# KiCad board AmigaPCI Mainboard.kicad_pcb (continued)
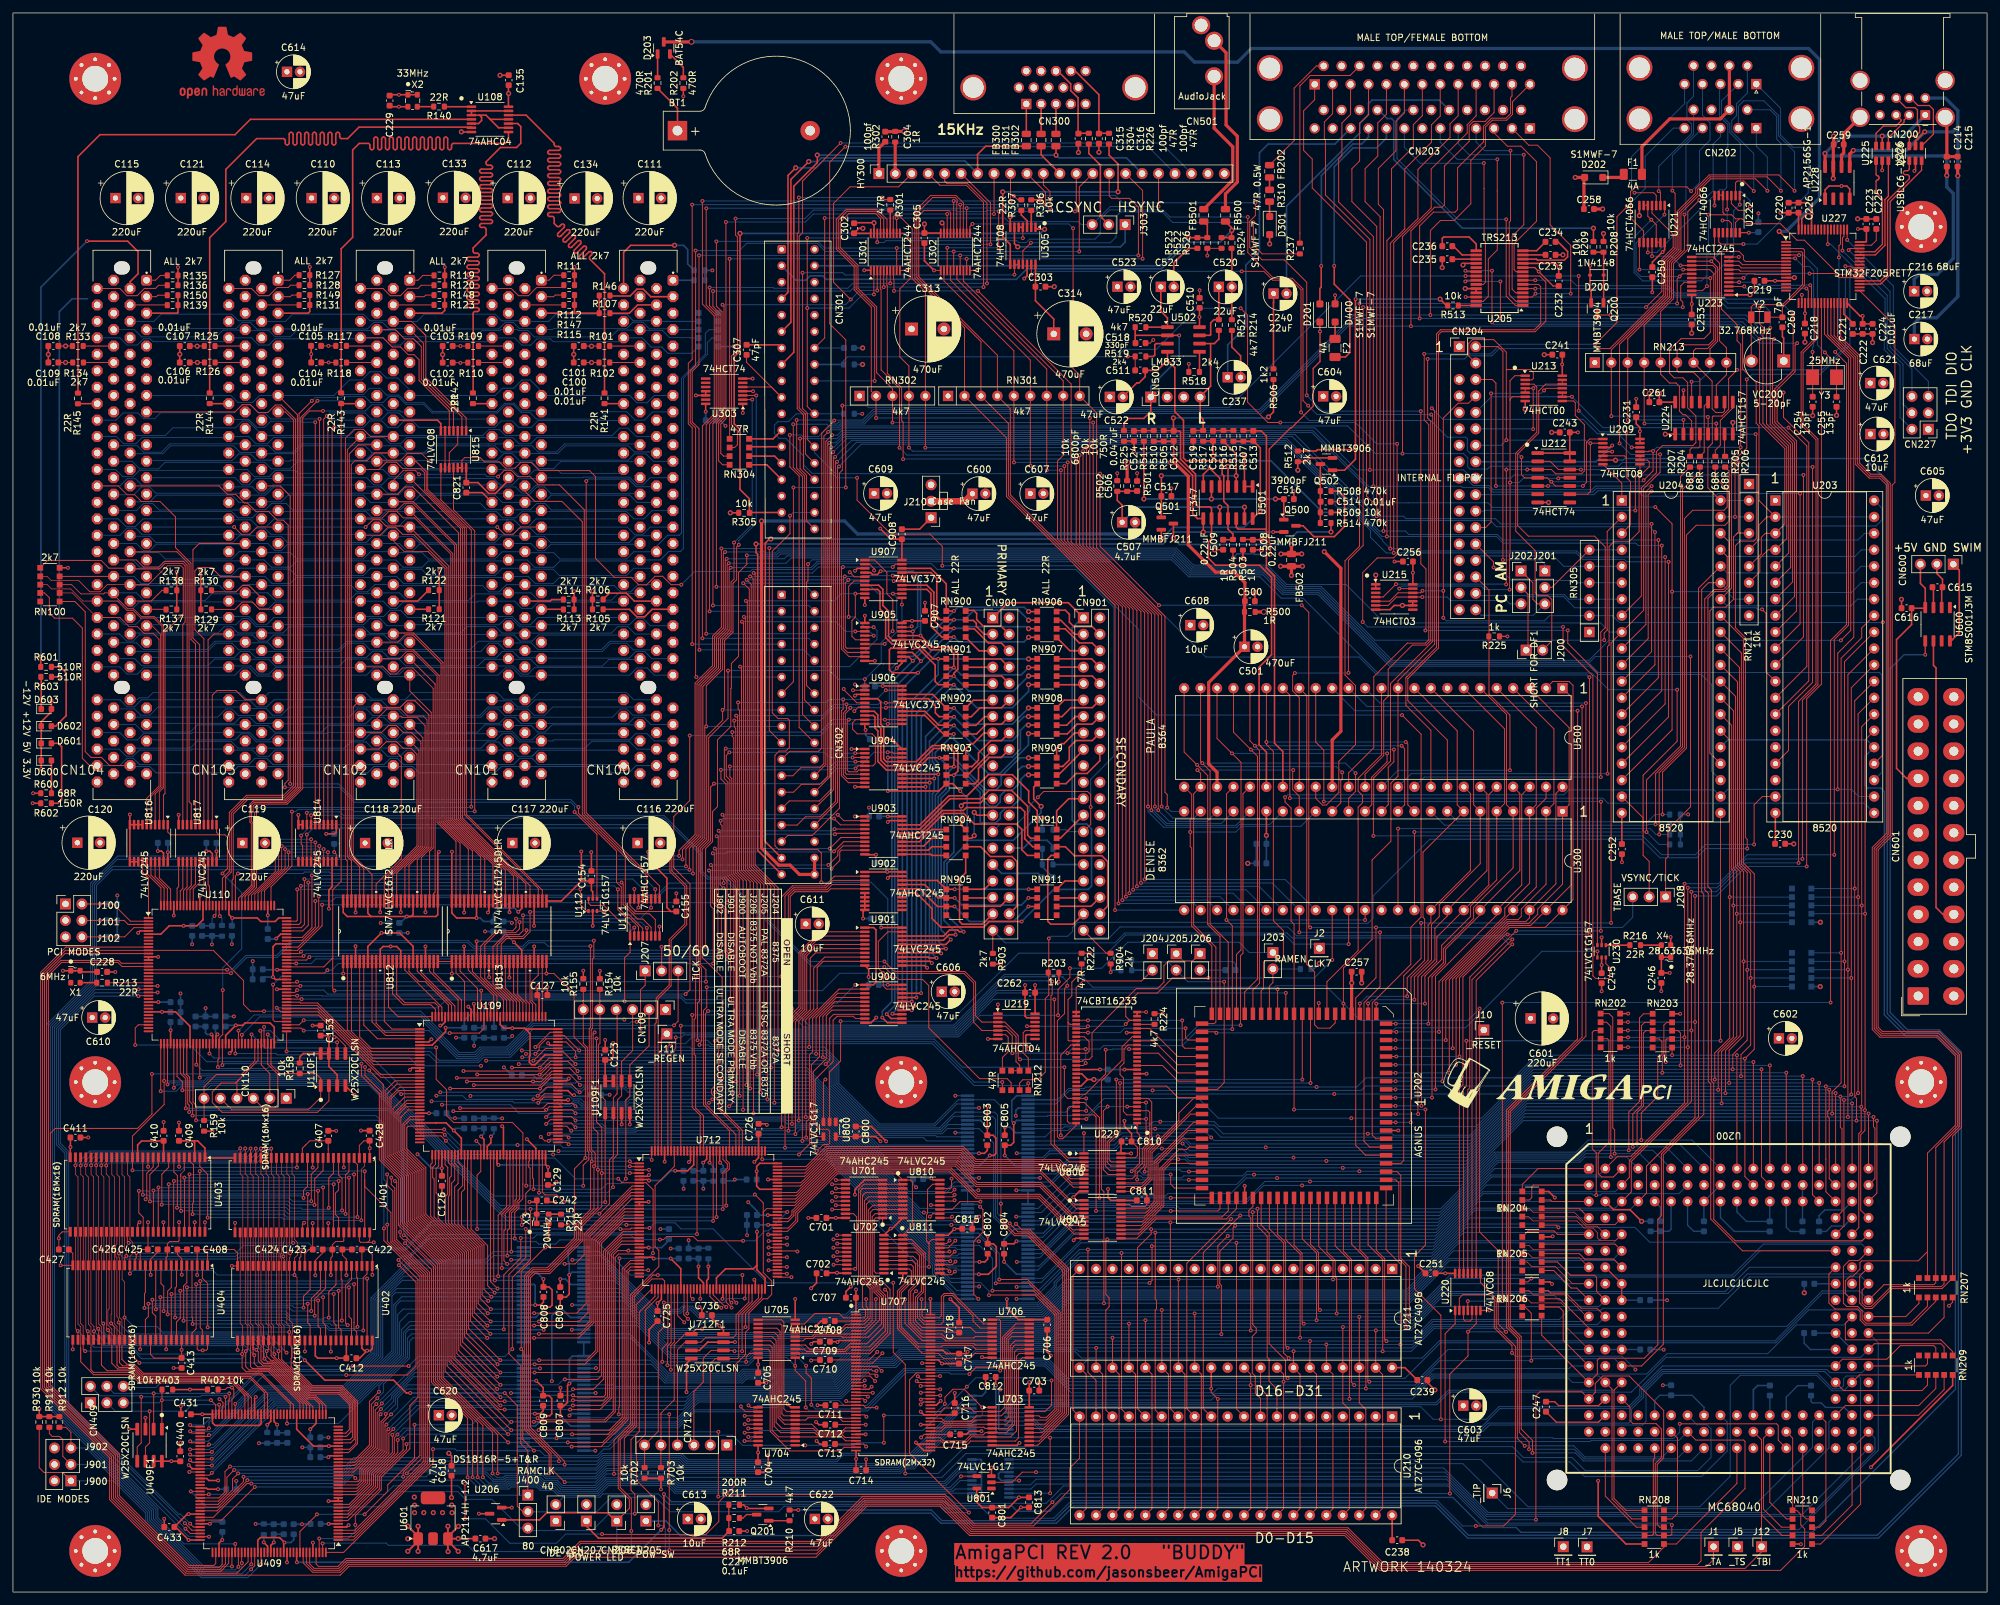
[diagram p0: board, top side]
## Routing (per net, layer and track width the routed paths; a pad name or vN(x,y) marks a point on that pad's centre or on a via; arc(x,y) is an arc through that point) (continued)
AD29: length 158.5
  Top w0.15: 56.18,177.16 53.34,177.16 51.93,175.75 51.93,113.6 53.53,112 U812.44
  Bottom w0.13: 76.35,177.29 74.56,177.29 74.55,177.3 73.38,177.3 73.37,177.29 64.85,177.29 63.56,176 60.83,176 59.82,177.01 56.32,177.01 ; 76.63,177.01 80.13,177.01 81.09,176.05 83.92,176.05 85.16,177.29 96.66,177.29 ; 15.68,177.02 19.19,177.02 20.19,176.01 22.93,176.01 24.22,177.3 35.72,177.3 ; 56.03,177.3 44.53,177.3 43.24,176.01 40.5,176.01 39.5,177.02 35.99,177.02
AD30: length 164.9
  Top w0.13: 51.33,177.62 51.33,178.18 52.69,179.54 54.09,179.54 55.21,178.42 CN102.A20
  Top w0.15: 51.33,177.62 51.33,113.19 51.62,112.89 U812.47
  Bottom w0.13: 18.23,178.57 23.48,178.57 24.68,179.77 34.37,179.77 35.4,180.81 36.33,180.81 38.4,178.74 ; 58.87,178.57 72.55,178.57 73.51,179.53 75.09,179.53 76.04,178.58 78.89,178.58 ; 58.63,178.52 55.11,178.52 54.1,179.53 52.87,179.53 51.91,178.57 38.55,178.57 ; 79.18,178.57 92.5,178.57 93.66,179.73 94.94,179.73 96.25,178.41 99.35,178.41
AD31: length 156.4
  Top w0.15: CN102.B20 51.63,176.41 51.63,113.55 52.26,112.92 U812.46
  Bottom w0.13: 53.78,178.29 57.3,178.29 58.27,177.32 59.85,177.32 60.8,178.27 73.81,178.27 ; 74.13,178.26 77.2,178.26 78.15,177.31 79.92,177.31 80.89,178.27 94.1,178.27 ; 53.48,178.27 40.24,178.27 39.29,177.32 37.52,177.32 36.41,178.42 33.31,178.42 ; CN104.B20 15.97,178.42 17.08,177.32 18.98,177.32 19.93,178.27 33.17,178.27
AgnusCLK: length 67.3
  Top w0.15: U202.34 185.65,86.51 v2(185.81,86.35) ; U230.4 v2(244.64,98.94)
  Bottom w0.15: v2(244.64,98.94) 236.09,98.94 224.28,87.13 213.48,87.13 212.7,86.35 v2(185.81,86.35)
AUDIN: length 11.6
  Top w0.25: C240.1 194.64,199.13 194.62,199.11 R506.1
AUDIO: length 185.6
  Top w0.15: C517.2 178.87,170.41 v2(178.87,170.42) ; C510.2 v2(183.22,201.01) ; v2(184.42,206.37) 184.41,206.38 R523.1 R526.1 ; C511.1 R519.2 v2(172.13,190.8) ; C519.1 182.24,176.58 v2(182.25,176.57) ; R502.2 v2(170.5,172.76) ; 185.55,160.94 v1(185.54,160.94) ; 197.77,169.97 v2(197.77,169.98) ; C506.2 v2(173.57,172.77) ; v2(204.64,168.37) 204.64,168.37 C514.2 ; v2(176.07,193.35) 175.58,192.86 C518.1 ; R518.2 v2(181.55,189.66)
  Top w0.25: C509.1 185.55,160.94 ; C516.2 197.77,169.97 ; C508.2 v1(192.77,160.94)
  Top w0.5: v1(202.47,160.65) 205.03,158.09 205.03,132.91 203.69,131.57 U500.34 ; v1(115.58,165.39) 115.58,114.89 118.23,112.25 119.99,112.25 121.43,110.81 CN302.36 CN302.34 ; FB502.1 v1(198.98,160.3) ; FB502.1 v1(195.78,160.3) ; FB502.1 v1(197.4,161.71)
  Bottom w0.5: v1(115.58,165.39) 128.39,165.39 130.4,163.38 172.58,163.38 173.25,164.06 C507.2
AUDOUT: length 11
  Top w0.25: 188.21,201.47 188.21,207.39 ; C520.2 188.19,196.48
BANK0: length 105.9
  Top w0.11: v2(14.4,65.87) 14.4,64.55 14.86,64.09 14.86,50.45 ; U404.20 14.84,43.74 14.66,43.56 14.66,41.21 15.26,40.61 15.26,37.93 ; 40.28,50.53 40.28,64.17 39.89,64.57 39.89,67.21 ; 14.41,65.87 14.45,65.91 U403.20
  Top w0.15: U409.56 38.81,30.81 36.59,33.03 19.83,33.03 18.43,34.43 16.18,34.43 15.26,35.35 15.26,37.93 ; v2(39.88,68.48) U401.20
  Bottom w0.11: v2(14.4,65.87) 14.78,66.25 17.26,66.25
  Bottom w0.15: v2(39.88,68.48) 37.65,66.25 17.26,66.25
BANK1: length 96.7
  Top w0.11: 39.86,37.77 39.86,40.99 39.48,41.37 U402.21 ; 39.49,50.55 39.49,64.19 39.09,64.59 39.09,67.23 ; 14.03,50.45 14.03,64.09 13.64,64.49 v2(13.64,65.88) 13.64,67.13
  Top w0.15: 39.86,37.77 39.86,36.48 45.77,30.57 50.32,30.57 51.94,28.95 51.94,25.09 51.39,24.54 U409.34 ; v2(39.08,68.47) U401.21
  Bottom w0.15: v2(39.08,68.47) 37.16,66.55 14.31,66.55 v2(13.64,65.88)
C1: length 235.2
  Top w0.15: v2(165.63,81.68) 165.26,81.31 U229.42 ; v2(134.55,97.37) 136.1,95.82 146.96,95.82 148.63,94.16 148.63,88.99 149.61,88.01 U219.3 153.14,88.01 155.21,85.93 155.21,82.5 155.47,82.25 v2(155.49,82.25) ; v2(45.37,120.33) 45.38,120.32 U814.8 ; v2(188.27,86.92) 188.27,102.88 v2(187.37,103.78) 187.37,106.96 187.38,106.96 187.38,123.26 U500.28 ; U229.38 165.63,83.85 v2(165.63,83.85) ; U300.36 v2(208.77,103.78)
  Bottom w0.15: v2(208.77,103.78) v2(187.37,103.78) ; v2(134.55,97.37) 123,97.37 109.97,110.4 107.36,110.4 106.38,111.38 106.38,114.06 100.56,119.88 51.06,119.88 50.47,120.47 45.51,120.47 v2(45.37,120.33) ; v2(155.49,82.25) 165.06,82.25 v2(165.63,81.68) v2(165.63,83.85) 167.85,83.85 168.37,84.38 180.55,84.38 183.09,86.92 v2(188.27,86.92)
C3: length 213.3
  Top w0.15: v2(134.55,96.5) 135.53,95.52 146.84,95.52 148.33,94.04 148.33,87.99 149.61,86.71 U219.5 153.45,86.71 154.29,85.87 v2(154.29,83.21) ; U229.35 165.39,85.75 166.15,84.98 166.15,83.51 165.85,83.21 U229.39 162.82,83.21 v2(162.82,83.21) ; v2(189.54,87.53) 189.54,98.27 189.92,98.65 189.92,123.26 U500.29 ; v2(46.03,119.95) 46.03,119.94 U814.7
  Bottom w0.15: v2(189.54,87.53) 183.04,87.53 180.76,85.25 164.86,85.25 v2(162.82,83.21) v2(154.29,83.21) ; v2(134.55,96.5) 134.39,96.66 123.29,96.66 109.85,110.1 107.24,110.1 106.08,111.26 106.08,113.94 100.51,119.51 50.78,119.51 50.34,119.95 v2(46.03,119.95)
CBANK0: length 36.5
  Top w0.15: v2(131.51,32.68) 131.18,32.35 U707.22 ; U712.52 106.12,45.28 v2(106.12,45.28)
  In2.Cu w0.15: v2(131.51,32.68) 130.82,33.37 130.82,37.69 125.34,43.18 113.12,43.18 112.67,42.72 110.11,42.72 109.51,43.32 108.07,43.32 v2(106.12,45.28)
CBANK1: length 38.3
  Top w0.15: v2(104.96,45.25) 104.62,45.59 U712.49 ; U707.23 v2(131.51,31.85)
  In2.Cu w0.15: v2(131.51,31.85) 130.52,32.83 130.52,37.56 125.21,42.88 113.35,42.88 112.9,42.43 109.99,42.43 109.4,43.01 107.96,43.01 106.22,44.75 105.46,44.75 v2(104.96,45.25)
CCLKE: length 38.1
  Top w0.15: U712.84 v2(116.68,54.2) ; U707.67 v2(143.14,33.35)
  In2.Cu w0.15: v2(116.68,54.2) 116.71,54.16 121.14,54.16 139.59,35.72 139.59,35.4 141.63,33.35 v2(143.14,33.35)
CLK6: length 6.3
  Top w0.15: U110.21 14.59,94.09
CLK7: length 107.3
  Top w0.15: v2(206.23,100.05) U300.35 ; U800.2 126.09,80.31 127.79,82.01 v2(127.79,88.14) ; R222.1 166.26,98.64
  Top w0.25: 166.26,98.64 v2(166.27,98.65)
  Bottom w0.15: v2(127.79,88.14) 127.79,88.13 144.78,88.13 155.3,98.65 v2(166.27,98.65) 168.98,98.65 171.8,101.47 196.39,101.47 197.81,100.05 206.23,100.05 v2(206.23,100.05)
CLK20: length 12.1
  Top w0.15: U712.20 v2(94.71,56.7) ; v2(85.68,56.7) R215.1
  Bottom w0.15: v2(85.68,56.7) v2(94.71,56.7)
CLK33: length 4.2
  Top w0.25: U108.1 66.58,229.36
CLK40: length 401.5
  Top w0.15: v2(71.66,56.06) 71.66,64.38 72.23,64.95 U109.52 72.23,68.97 v2(71.55,69.65) ; v2(98.28,56.2) U712.21 ; U409.94 30.19,15.04 v2(30.24,15.09) ; 96.7,56.19 95.46,56.19 95.31,56.05 v2(93.79,56.05) ; J400.1 79.5,21.84 78.41,22.93 78.41,34.98 76.57,36.81 76.57,49.05 79.18,51.65 v2(79.18,56.05) ; v2(137.78,18.31) 137.78,18.31 137.78,35.15 135.92,37 v2(135.92,47.76) ; U110.52 v2(30.34,83.16)
  In2.Cu w0.15: v2(71.55,69.65) 71.55,71.56 72.26,72.27 v2(72.26,81.26)
  Bottom w0.15: v2(71.66,56.06) 71.67,56.05 v2(79.18,56.05) v2(93.79,56.05) ; U200.133 260.01,25.84 261.55,25.84 262.19,25.2 262.19,20.81 260.13,18.75 242.77,18.75 240.75,20.76 233.21,20.76 231.52,22.45 146.99,22.45 142.85,18.31 v2(137.78,18.31) ; v2(30.24,15.09) 57.43,15.09 58.74,16.4 68.69,16.4 70.13,14.96 J400.1 ; v2(72.26,81.26) 62.48,81.26 61.27,82.47 31.03,82.47 v2(30.34,83.16) ; v2(135.92,47.76) 135.9,47.74 116.44,47.74 108.1,56.08 103.16,56.08 102.22,57.02 99.1,57.02 v2(98.28,56.2)
CLK80: length 291.7
  Top w0.15: v2(96.01,12.1) 96.01,15.14 95.43,15.72 v2(95.43,18.76) 95.43,23.53 96.71,24.81 96.71,43.23 99.12,45.64 U712.38 ; U409.93 v2(27.45,15.54)
  Bottom w0.15: U200.135 264.68,26.26 264.68,21.78 260.74,17.85 242.65,17.85 240.41,20.09 233.17,20.09 231.86,21.4 147.13,21.4 143.44,17.71 103.09,17.71 102.09,18.71 95.49,18.71 v2(95.43,18.76) ; v2(96.01,12.1) 96,12.09 92.03,12.09 89.43,9.49 79.89,9.49 ; v2(27.45,15.54) 29.83,13.16 57.04,13.16 59.38,15.5 68.69,15.5 69.87,14.32 73.95,14.32 78.39,9.88 J400.3
CLKCIA: length 412.5
  Top w0.25: v2(100.09,9.61) 100.52,10.04 v2(100.52,15.12) ; v2(43.84,4.6) 43.81,4.63 U409.135
  Bottom w0.2: v2(100.52,15.12) 101.68,13.95 143.92,13.95 144.55,13.32 154.21,13.32 155.05,12.48 160.11,12.48 162.24,14.61 222.31,14.61 226.95,9.97 232.09,9.97 232.83,9.23 277.84,9.23 299.92,31.31 299.92,83.04 297.05,85.92 292.15,85.92 288.94,89.13 288.94,123.62 288.4,124.16 286.36,124.16 285.96,124.55 285.96,129.05 U203.25 286.24,131.58 264.77,131.58 U204.25
  Bottom w0.25: v2(43.84,4.6) 95.08,4.6 v2(100.09,9.61)
CLKPCI0: length 2.9
  Top w0.25: 91.35,183.5 CN100.B16
CLKPCI1: length 2.9
  Top w0.25: 71.03,183.5 CN101.B16
CLKPCI2: length 128.7
  Top w0.15: v2(49.64,92.87) 49.37,93.14 49.37,97.92 ; v2(72.3,92.87) 72.3,91.44 72.15,91.28 72.15,90.14 72.23,90.06 U109.129 ; R143.1 50.67,109.74 49.37,108.44 49.37,97.92 ; 49.37,97.92 47.99,96.54 42.3,96.54
  Top w0.25: 50.68,183.5 CN102.B16
  Bottom w0.15: v2(72.3,92.87) v2(49.64,92.87)
CLKPCI3: length 2.9
  Top w0.25: 30.39,183.5 CN103.B16
CLKPCI4: length 3
  Top w0.25: 10.05,183.5 CN104.B16
CMA0: length 38.6
  Top w0.15: v2(132.76,30.77) 130.24,30.77 U707.25 ; v2(109.37,43.9) 107.62,45.64 U712.55
  In2.Cu w0.15: v2(132.76,30.77) 132.05,31.48 132.05,33 131.12,33.93 131.12,37.81 125.46,43.47 112.95,43.47 112.5,43.02 110.24,43.02 v2(109.37,43.9)
CMA1: length 42.5
  Top w0.15: v2(104.12,43.02) 104.12,43.03 U712.48 ; v2(132,30.17) 131.82,30.35 U707.26
  In2.Cu w0.15: v2(104.12,43.02) 104.63,42.52 109.47,42.52 109.86,42.12 113.07,42.12 113.52,42.57 125.09,42.57 130.23,37.44 130.23,31.94 v2(132,30.17)
CMA2: length 43.1
  Top w0.15: U707.27 131.26,29.85 v2(131.6,29.51) ; v2(104.22,42.18) 103.57,42.82 103.57,43.97 103.62,44.02 U712.47
  In2.Cu w0.15: v2(131.6,29.51) 129.93,31.19 129.93,37.31 124.96,42.27 113.7,42.27 113.25,41.82 109.74,41.82 109.35,42.22 104.27,42.22 v2(104.22,42.18)
CMA3: length 34.4
  Top w0.15: 118.03,50.2 v2(119.5,50.2) ; U707.60 140.3,29.85 v2(140.18,29.72)
  In2.Cu w0.15: 139.04,30.06 139.38,29.72 v2(140.18,29.72) ; 139.04,30.06 139.25,29.85 ; 139.04,30.06 137,32.1 137,35.33 122.13,50.2 v2(119.5,50.2)
CMA4: length 39.9
  Top w0.15: v2(143.18,30.35) U707.61 ; U712.78 v2(116.68,51.2)
  In2.Cu w0.15: v2(143.18,30.35) 143.07,30.25 139.48,30.25 137.3,32.43 137.3,35.46 121.58,51.18 121.57,51.18 116.7,51.18 v2(116.68,51.2)
CMA5: length 34.1
  Top w0.15: U707.62 140.25,30.85 v2(140.18,30.77) ; U712.79 v2(119.5,51.7)
  In2.Cu w0.15: v2(119.5,51.7) 120.45,51.7 120.55,51.6 121.58,51.6 137.6,35.58 137.6,32.62 139.45,30.77 v2(140.18,30.77)
CMA6: length 39.8
  Top w0.15: 118.03,52.18 v2(116.68,52.18) ; v2(143.18,31.3) 143.12,31.35 U707.63
  In2.Cu w0.15: v2(116.68,52.18) 116.8,52.3 120.45,52.3 120.85,51.9 121.7,51.9 137.9,35.7 137.9,32.93 139.53,31.3 v2(143.18,31.3)
CMA7: length 33.9
  Top w0.15: 118.03,52.68 121.03,52.68 v2(121.12,52.59) ; U707.64 140.18,31.85 v2(140.15,31.82)
  In2.Cu w0.15: v2(121.12,52.59) 121.44,52.59 138.2,35.83 138.2,33.05 139.43,31.82 v2(140.15,31.82)
CMA8: length 36.3
  Top w0.15: U707.65 139.77,32.35 v2(139.54,32.58) ; U712.82 v2(116.68,53.2)
  In2.Cu w0.15: v2(116.68,53.2) 116.76,53.11 121.34,53.11 138.5,35.95 138.5,33.62 v2(139.54,32.58)
CMA9: length 33.4
  Top w0.15: v2(119.53,53.64) 119.46,53.7 U712.83 ; U707.66 140.18,32.85 v2(139.71,33.31)
  In2.Cu w0.15: v2(139.71,33.31) 138.8,34.22 138.8,36.08 121.24,53.64 v2(119.53,53.64)
CMA10: length 38.1
  Top w0.15: 130.19,31.32 131.19,31.32 ; 131.19,31.32 132.19,31.32 v2(132.57,31.71) ; 131.19,31.32 132.13,31.32 132.14,31.33 ; U712.56 108.12,45.89 109.99,44.01 v2(110.14,44.01)
  In2.Cu w0.15: v2(110.14,44.01) 110.82,43.32 112.38,43.32 112.83,43.77 125.59,43.77 131.43,37.94 131.43,34.05 132.57,32.9 v2(132.57,31.71)
CONFIG_CYCLE: length 101.3
  Top w0.15: v2(94.44,91.21) 94.44,97.94 95.28,98.78 U111.1 95.28,103.05 94.7,103.64 93.63,103.64 91.24,106.03 89.22,106.03 88.87,106.38 U112.6 ; U109.15 56.77,79.94 47.12,89.59 U110.79 41.35,89.59 v2(40.73,90.21)
  Bottom w0.15: v2(40.73,90.21) 65.65,90.21 66.87,91.44 94.22,91.44 v2(94.44,91.21)
CONFIGED: length 147.3
  Top w0.15: v2(59.94,76.88) 60,76.94 U109.21 ; v2(21.46,80.01) 21.46,73.83 19.22,71.59 6.52,71.59 5.77,70.84 5.77,32.01 16.42,21.36 16.42,14.89 27.2,4.11 31.01,4.11 31.31,4.41 U409.110
  Bottom w0.15: v2(59.94,76.88) 56.81,80.01 v2(21.46,80.01)
CYCLE_ACTIVE: length 24.1
  Top w0.15: U109.12 55.7,81.44 47.05,90.09 U110.80
D0: length 294.7
  Top w0.15: RN202.8 v2(249.35,86.72) ; v2(165.98,52.88) 165.98,33.93 167.22,32.69 U210.19 ; U200.39 249.87,61.78 249.87,66.49 259.15,75.77 v2(259.15,86.72) v2(259.15,108.14) ; v2(275.7,112.6) 275.7,137.53 278.38,140.21 278.38,177.93 276.09,180.22 276.09,191.46 278.2,193.57 U227.22
  Bottom w0.15: v2(275.7,112.6) 267.46,112.6 263,108.14 v2(259.15,108.14) ; U200.39 247.36,59.28 225.61,59.28 219.22,52.88 v2(165.98,52.88) 164.64,52.88 158.3,46.54 U802.46 ; v2(249.35,86.72) v2(259.15,86.72)
D1: length 294.8
  Top w0.15: U227.23 278.7,193.64 276.39,191.34 276.39,180.35 278.69,178.06 278.69,140.09 276.29,137.7 v2(276.29,113.21) ; v2(258.6,108.75) v2(258.6,84.13) 258.6,75.64 249.57,66.61 249.57,64.02 U200.21 ; RN202.6 249.35,84.12 v2(249.36,84.13) ; v2(168.96,54.46) 168.74,54.24 168.74,45.95 169.25,45.45 169.25,44.05 168.74,43.55 168.74,28.12 U210.18
  Bottom w0.15: v2(258.6,108.75) 263.11,108.75 267.56,113.21 v2(276.29,113.21) ; U200.21 247.36,61.82 226.88,61.82 219.52,54.46 v2(168.96,54.46) 164.99,54.46 158.98,48.44 U802.43 ; v2(249.36,84.13) v2(258.6,84.13)
D2: length 295.3
  Top w0.15: U200.40 252.21,61.58 252.21,65.77 259.71,73.27 v2(259.71,88.02) v2(259.71,107.49) ; v2(276.95,112.04) 276.95,137.93 279.23,140.21 279.23,199.02 ; v2(249.35,88.01) 249.34,88 RN202.9 ; U210.17 171.17,28.23 v2(171.17,52.36)
  Bottom w0.15: U802.47 158.23,45.9 164.68,52.36 v2(171.17,52.36) 219.12,52.36 225.74,58.98 249.6,58.98 U200.40 ; v2(259.71,88.02) 259.7,88.01 v2(249.35,88.01) ; v2(276.95,112.04) 267.59,112.04 263.04,107.49 v2(259.71,107.49)
D3: length 298.3
  Top w0.15: v2(281.22,113.84) 281.22,147.09 283.4,149.27 283.4,190.54 279.7,194.24 U227.25 ; v2(258.1,109.38) 258.07,109.35 v2(258.07,85.66) 258.07,75.54 249.82,67.29 247.76,67.29 U200.2 ; v2(249.37,85.66) 248.36,85.66 ; v2(175.74,56.03) 175.74,55.3 173.62,53.18 173.62,28.31 U210.16
  Bottom w0.15: v2(249.37,85.66) 258.07,85.66 v2(258.07,85.66) ; U200.2 244.87,64.41 228.2,64.41 219.83,56.03 v2(175.74,56.03) 164.14,56.03 158.46,50.35 U802.40 ; v2(258.1,109.38) 263.3,109.38 267.77,113.84 v2(281.22,113.84)
D4: length 154.2
  Top w0.15: U210.15 176.37,28.12 176.37,43.55 176.56,43.74 176.56,45.05 176.37,45.25 176.37,55.5 v2(176.37,55.51) ; RN202.4 246.19,85.44 246.41,85.22 246.41,69.42 244.76,67.77 244.76,64.64 245.31,64.09 247.1,64.09 U200.3
  Bottom w0.15: U802.41 158.25,49.71 164.04,55.51 v2(176.37,55.51) 219.72,55.51 228.32,64.11 247.11,64.11 U200.3
D5: length 153.9
  Top w0.15: v2(246.72,67.17) 246.71,67.18 246.71,87.34 246.05,88 RN202.2 ; U210.14 178.7,28.31 v2(178.7,57.08)
  Bottom w0.15: U200.4 249.16,67.17 v2(246.72,67.17) 242.72,67.17 241.93,66.38 229.32,66.38 220.03,57.08 v2(178.7,57.08) 164,57.08 158.54,51.62 U802.38
D6: length 161.2
  Top w0.15: v2(188.08,57.61) 181.25,50.77 181.25,28.31 U210.13 ; v2(247.3,67.69) 247.3,71.38 247.01,71.67 247.01,88.75 246.44,89.32 RN202.1
  Bottom w0.15: U802.37 158.75,52.25 164.1,57.61 v2(188.08,57.61) 220.13,57.61 229.2,66.68 241.81,66.68 242.82,67.69 v2(247.3,67.69) 251.18,67.69 U200.5
D7: length 164.1
  Top w0.15: RN203.1 251.76,89.29 251.14,88.67 251.14,75.77 249.49,74.12 v2(249.49,68.22) ; v2(189.49,58.13) 183.79,52.43 183.79,28.31 U210.12
  Bottom w0.15: U200.6 253.19,68.22 v2(249.49,68.22) 242.92,68.22 241.72,67.01 229.11,67.01 220.23,58.13 v2(189.49,58.13) 164.2,58.13 158.96,52.89 U802.36
D8: length 162.4
  Top w0.15: v2(188.91,53.94) 188.91,28.27 U210.10 ; v2(244.46,61.29) 244.46,67.82 243.85,68.43 243.85,86.44 244.13,86.72 RN202.3
  Bottom w0.15: U200.25 257.22,61.52 245.3,61.52 245.07,61.29 v2(244.46,61.29) 244,61.29 243.78,61.52 227,61.52 219.42,53.94 v2(188.91,53.94) 164.89,53.94 158.77,47.81 U802.44
D9: length 163.9
  Top w0.15: U210.9 192.62,29.91 191.82,30.71 191.82,33.34 191.35,33.81 191.35,39.48 191.96,40.09 191.96,40.75 191.42,41.3 191.42,58.66 v2(191.42,58.67) ; v2(250.11,68.75) 250.11,73.82 251.44,75.15 251.44,87.47 251.94,87.97 RN203.2
  Bottom w0.15: U802.35 158.56,53.52 164.42,59.38 179.35,59.38 180.06,58.67 v2(191.42,58.67) 220.34,58.67 228.99,67.32 241.6,67.32 243.02,68.75 v2(250.11,68.75) 255.21,68.75 U200.7
D10: length 164.7
  Top w0.15: RN203.3 252.12,86.69 251.74,86.31 251.74,75.03 250.76,74.05 v2(250.76,69.27) ; v2(192.15,59.19) 192.15,56.47 193.65,54.97 193.65,36.26 193.94,35.97 193.94,32.55 195.16,31.33 U210.8
  Bottom w0.15: U200.8 257.22,69.27 v2(250.76,69.27) 243.12,69.27 241.48,67.62 228.87,67.62 220.44,59.19 v2(192.15,59.19) 180.16,59.19 179.68,59.68 163.88,59.68 159,54.8 U802.33
D11: length 169.7
  Top w0.15: v2(251.42,69.8) 251.42,73.99 253.95,76.52 253.95,82.34 254.6,82.99 254.6,85 254.19,85.41 RN203.4
  In3.Cu w0.15: v2(199.05,62.79) 199.05,43.25 199.82,42.47 199.82,39.06 199.07,38.3 199.07,28.47 U210.7
  Bottom w0.15: U200.9 259.24,69.8 v2(251.42,69.8) 243.23,69.8 241.35,67.92 228.74,67.92 223.61,62.79 v2(199.05,62.79) 193.1,62.79 190.29,59.97 163.65,59.97 159.11,55.43 U802.32
D12: length 188.2
  Top w0.15: RN203.6 v2(256.17,82.9) ; U200.10 266.18,82.89
  In3.Cu w0.15: 201.27,76.56 201.27,77.5 201.28,77.51 ; 201.27,76.56 201.27,43.05 201.8,42.52 201.8,41.75 201.49,41.44 201.49,28.35 U210.6 ; 201.27,76.56 201.27,77.98 v2(201.28,77.99)
  Bottom w0.15: 161.25,76.01 163,77.76 165.42,77.76 165.64,77.98 201.27,77.98 v2(201.28,77.99) 207.5,77.99 208.91,79.41 231.7,79.41 235.2,82.9 v2(266.18,82.9) ; 161.25,76.01 U803.26 161.25,76.01
D13: length 186.7
  Top w0.15: v2(268.72,81.85) 268.72,81.85 U200.11 ; RN203.7 255.34,85.41 255.2,85.27 v2(255.2,81.85)
  In3.Cu w0.15: U210.5 202.78,30.89 203.86,31.96 203.86,46.94 204.35,47.43 204.35,48.94 204.02,49.26 v2(204.02,76.91)
  Bottom w0.15: v2(268.72,81.85) 235.03,81.85 230.09,76.91 165.36,76.91 162.56,74.1 U803.29
D14: length 189.3
  Top w0.15: U200.12 271.26,81.32 v2(271.26,81.32) ; RN203.8 257.1,86.69 257.48,86.31 v2(257.48,81.32)
  In3.Cu w0.15: v2(206.64,73.17) 206.64,32.5 205.32,31.18 U210.4
  Bottom w0.15: v2(271.26,81.32) 234.93,81.32 226.78,73.17 186.11,73.17 183.07,76.21 168.47,76.21 165.83,73.57 159.81,73.57 159.7,73.47 U803.30
D15: length 189.9
  Top w0.15: U200.13 273.8,80.19 v2(273.8,80.19) ; v2(254.66,80.19) 254.66,82.63 254.9,82.87 254.9,87.53 255.34,87.97 RN203.9
  In3.Cu w0.15: U210.3 207.86,31.97 209.19,33.3 v2(209.19,70.77)
  Bottom w0.15: v2(273.8,80.19) 234.65,80.19 225,70.55 213.13,70.55 212.9,70.77 186.85,70.77 185.51,72.11 175.46,72.11 175.18,71.83 162.31,71.83 162.05,71.56 U803.33
D16: length 241.8
  Top w0.15: U200.29 267.41,64.16 v2(267.41,82.37) 268.86,83.82 v2(268.86,93.5) 268.86,110.9 267.18,112.58 267.18,147.25 U204.33
  In3.Cu w0.15: v2(175.96,77.46) 175.96,72.97 175.38,72.39 175.38,58.96 167.23,50.81 U211.19
  Bottom w0.15: v2(267.41,82.37) 235.13,82.37 230.9,78.14 208.85,78.14 208.17,77.46 v2(175.96,77.46) 163.12,77.46 161.04,75.38 156.72,75.38 ; RN200.6 268.87,93.5 v2(268.86,93.5)
D17: length 240.7
  Top w0.15: v2(266.81,79.67) 266.81,82.99 268.3,84.48 v2(268.3,94.82) 268.3,110.98 266.87,112.41 266.87,145.02 U204.32 ; v2(276.34,79.67) 276.34,79.66 U200.14
  In3.Cu w0.15: v2(176.35,71.53) 175.68,70.86 175.68,58.83 169.77,52.92 U211.18
  Bottom w0.15: 156.72,70.3 159.38,70.3 160.35,71.26 162.87,71.26 163.13,71.53 v2(176.35,71.53) 185.24,71.53 186.53,70.25 225.13,70.25 234.53,79.64 262.41,79.64 262.43,79.67 v2(276.34,79.67) ; RN200.7 268.31,94.82 v2(268.3,94.82)
D18: length 235.1
  Top w0.15: U204.31 266.57,142.78 266.57,112.29 267.77,111.09 v2(267.77,96.09) 267.77,85.22 265.54,83 265.54,80.73 v2(265.53,80.72) ; U200.30 269.97,64.14 v2(269.97,80.72)
  In3.Cu w0.15: v2(177.14,72.63) 177.14,71.49 176.25,70.6 176.25,57.73 172.31,53.79 U211.17
  Bottom w0.15: U803.32 162.48,72.2 162.55,72.13 173.62,72.13 173.9,72.41 175.82,72.41 176.05,72.63 v2(177.14,72.63) 185.48,72.63 186.24,71.88 225.91,71.88 234.75,80.72 v2(265.53,80.72) v2(269.97,80.72) ; RN200.8 267.78,96.1 v2(267.77,96.09)
D19: length 236
  Top w0.15: U204.30 266.27,140.54 266.27,112.16 267.21,111.23 v2(267.21,97.38) 267.21,85.9 264.98,83.67 v2(264.98,78.62) ; U200.15 278.88,78.62 v2(278.88,78.62)
  In3.Cu w0.15: U211.16 174.85,55.91 176.77,57.83 v2(176.77,70.38)
  Bottom w0.15: v2(278.88,78.62) v2(264.98,78.62) 234.35,78.62 224.92,69.19 181.82,69.19 180.64,70.38 v2(176.77,70.38) 171.4,70.38 170.05,69.02 U803.37 ; RN200.9 v2(267.21,97.38)
D20: length 233.8
  Top w0.15: v2(281.42,77.03) 281.42,77.03 U200.16 ; v2(264.41,77.03) 264.41,83.62 266.68,85.89 v2(266.68,103.43) 266.68,111.27 265.97,111.98 265.97,138.3 U204.29
  In3.Cu w0.15: U211.15 v2(177.39,68.49)
  Bottom w0.15: U803.41 158.82,66.49 160.01,67.68 170.48,67.68 171.29,68.49 v2(177.39,68.49) 180.57,68.49 181.44,67.62 224.62,67.62 234.04,77.03 v2(264.41,77.03) v2(281.42,77.03) ; RN201.6 v2(266.68,103.43)
D21: length 233.1
  Top w0.15: U204.28 265.67,136.06 265.67,111.77 266.16,111.28 v2(266.16,104.75) 266.16,85.79 263.81,83.44 v2(263.81,75.46) ; U200.17 v2(283.96,75.46)
  In3.Cu w0.15: U211.14 179.93,66.8 v2(179.91,66.82)
  Bottom w0.15: v2(266.16,104.75) 266.16,104.75 RN201.7 ; v2(283.96,75.46) v2(263.81,75.46) 233.74,75.46 224.31,66.03 181.76,66.03 180.97,66.82 v2(179.91,66.82) 176.83,66.82 176.02,66.01 162.91,66.01 160.21,63.31 U803.46
D22: length 233.2
  Top w0.15: v2(280.43,77.56) 280.43,74.42 280.21,74.2 280.21,73.42 280.43,73.19 280.43,63.84 U200.34 ; v2(263.29,77.56) 263.29,83.34 265.63,85.69 v2(265.63,106.02) 265.63,111.38 265.37,111.64 265.37,133.82 U204.27
  In3.Cu w0.15: U211.13 182.47,58.8 180.56,60.71 180.56,69.22 v2(180.6,69.25)
  Bottom w0.15: v2(265.63,106.02) 265.64,106.03 RN201.8 ; U803.40 159.03,67.12 160.05,68.14 170.2,68.14 171.31,69.25 v2(180.6,69.25) 181.7,68.14 224.72,68.14 234.14,77.56 v2(280.43,77.56)
D23: length 230.6
  Top w0.15: v2(277.84,79.14) 277.84,61.35 U200.51 ; U204.26 265.07,131.58 v2(265.07,107.31) 265.07,85.55 262.76,83.24 v2(262.76,79.14)
  In3.Cu w0.15: U211.12 v2(185.01,70.19)
  Bottom w0.15: v2(277.84,79.14) v2(262.76,79.14) 234.45,79.14 225.03,69.72 185.48,69.72 v2(185.01,70.19) 184.3,70.9 171.24,70.9 169.99,69.66 U803.36 ; RN201.9 265.08,107.31 v2(265.07,107.31)
D24: length 244
  Top w0.15: U200.18 286.5,73.89 v2(286.5,73.89) ; v2(280.88,73.89) 280.88,77.24 282.27,78.62 v2(282.27,98.7) 282.27,144.19 285.45,147.37 285.45,148.86 U203.33
  In3.Cu w0.15: v2(191.63,64.45) 191.63,63.21 190.09,61.67 U211.10
  Bottom w0.15: RN200.1 v2(282.27,98.7) ; 156.72,58.6 158.81,58.6 163.16,62.95 188.96,62.95 190.46,64.45 v2(191.63,64.45) 224,64.45 233.44,73.89 v2(286.5,73.89)
D25: length 245.6
  Top w0.15: U200.52 279.92,61.82 279.92,66.85 279.91,66.86 279.91,78.09 v2(279.91,78.09) ; U203.32 282.79,143.67 v2(282.79,97.38) v2(282.79,78.09)
  In3.Cu w0.15: U211.9 193.43,50.69 v2(193.43,68.67)
  Bottom w0.15: RN200.2 v2(282.79,97.38) ; v2(282.79,78.09) 282.79,78.09 v2(279.91,78.09) 234.25,78.09 224.82,68.67 v2(193.43,68.67) 181.92,68.67 180.81,69.78 171.32,69.78 169.98,68.44 156.77,68.44
D26: length 242.2
  Top w0.15: U203.31 283.32,141.65 v2(283.32,96.11) 283.32,73.37 v2(283.32,73.36) ; v2(287.26,73.36) 287.27,73.36 287.27,71.86 287.49,71.64 287.49,63.84 U200.36
  In3.Cu w0.15: U211.8 195.17,63.92 v2(195.18,63.93)
  Bottom w0.15: v2(283.32,96.11) 283.31,96.1 RN200.3 ; v2(287.26,73.36) v2(283.32,73.36) 233.34,73.36 223.9,63.93 v2(195.18,63.93) 190.43,63.93 188.06,61.56 178.36,61.56 177.97,61.17 170.19,61.17 169.8,61.56 163.17,61.56 158.94,57.33 U802.29
D27: length 242.8
  Top w0.15: 281.42,57.77 282.41,58.76 282.41,71.52 282.15,71.78 v2(282.15,76.51) ; v2(283.84,76.84) v2(283.84,94.82) 283.84,139.64 U203.30
  In3.Cu w0.15: v2(197.72,67.09) 197.71,67.08 U211.7
  Bottom w0.15: U803.43 161.26,65.21 163.05,67 176.17,67 176.85,67.68 180.95,67.68 181.54,67.09 v2(197.72,67.09) 224.52,67.09 233.94,76.51 v2(282.15,76.51) 283.51,76.51 v2(283.84,76.84) ; v2(283.84,94.82) 283.84,94.82 RN200.4
D28: length 240.1
  Top w0.15: U203.29 284.37,137.62 v2(284.37,108.64) 284.37,76.51 284.64,76.24 v2(284.64,72.79) ; U200.54 287.79,61.6 287.79,72.79 v2(287.79,72.79)
  In3.Cu w0.15: U211.6 200.25,63.39 v2(200.26,63.4)
  Bottom w0.15: v2(287.79,72.79) v2(284.64,72.79) 233.19,72.79 223.8,63.4 v2(200.26,63.4) 193.29,63.4 190.23,60.34 163.13,60.34 159.49,56.7 U802.30 ; RN201.1 284.36,108.63 v2(284.37,108.64)
D29: length 241.2
  Top w0.15: U200.64 282.71,56.52 282.71,75.98 v2(282.71,75.99) ; v2(284.89,77.06) v2(284.89,107.31) 284.89,135.6 U203.28
  In3.Cu w0.15: U211.5 v2(202.79,66.57)
  Bottom w0.15: RN201.2 284.88,107.31 v2(284.89,107.31) ; v2(284.89,77.06) 283.82,75.99 v2(282.71,75.99) 233.84,75.99 224.42,66.57 v2(202.79,66.57) 181.64,66.57 180.87,67.34 176.93,67.34 176.1,66.51 162.98,66.51 161.05,64.58 U803.44
D30: length 238.8
  Top w0.15: U200.65 285,56.27 285,70.79 285.37,71.16 v2(285.37,74.94) 285.45,75.01 v2(285.45,106.02) 285.45,133.62 U203.27
  In3.Cu w0.15: U211.4 v2(205.33,65.5)
  Bottom w0.15: 156.72,62.68 160.06,62.68 162.89,65.5 v2(205.33,65.5) 224.2,65.5 233.64,74.94 v2(285.37,74.94) ; v2(285.45,106.02) 285.44,106.03 RN201.3